# Altium PCB 400503.PcbDoc (part 1 of 3) (continued)
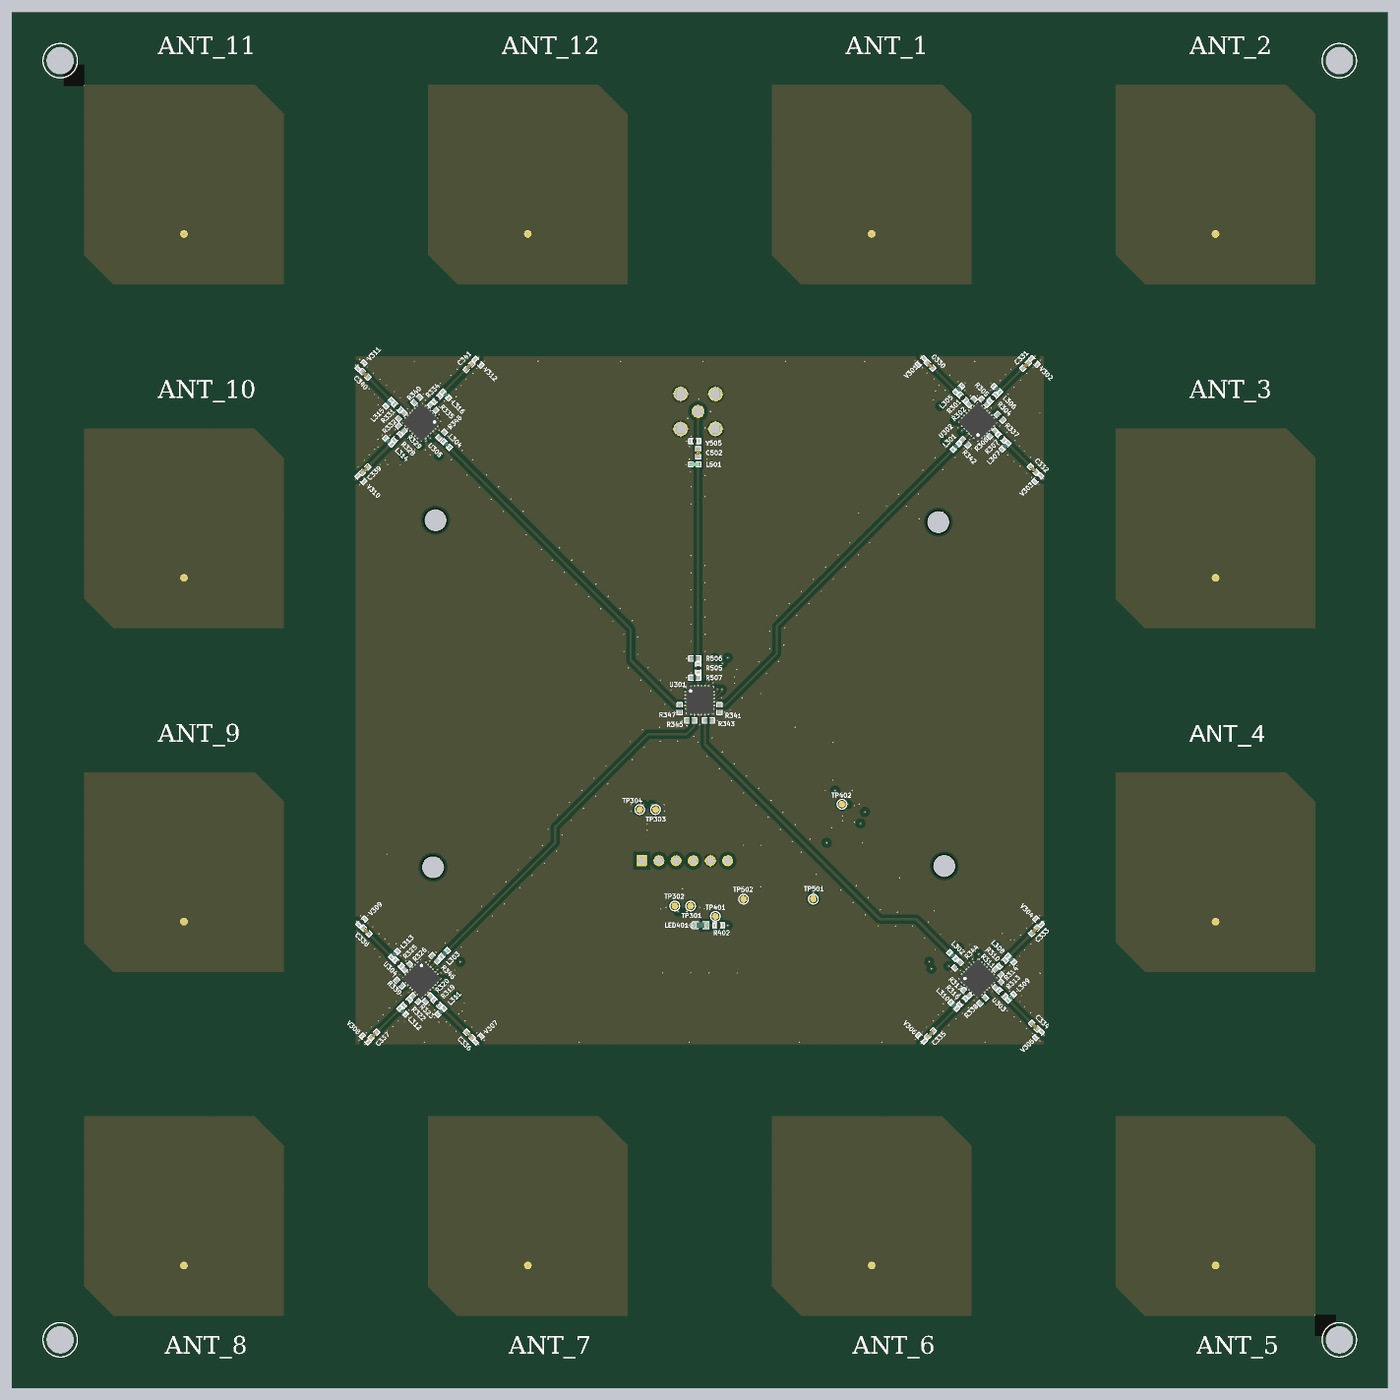
[diagram p6: 3D render of the assembled board from above, using the file's embedded part models]
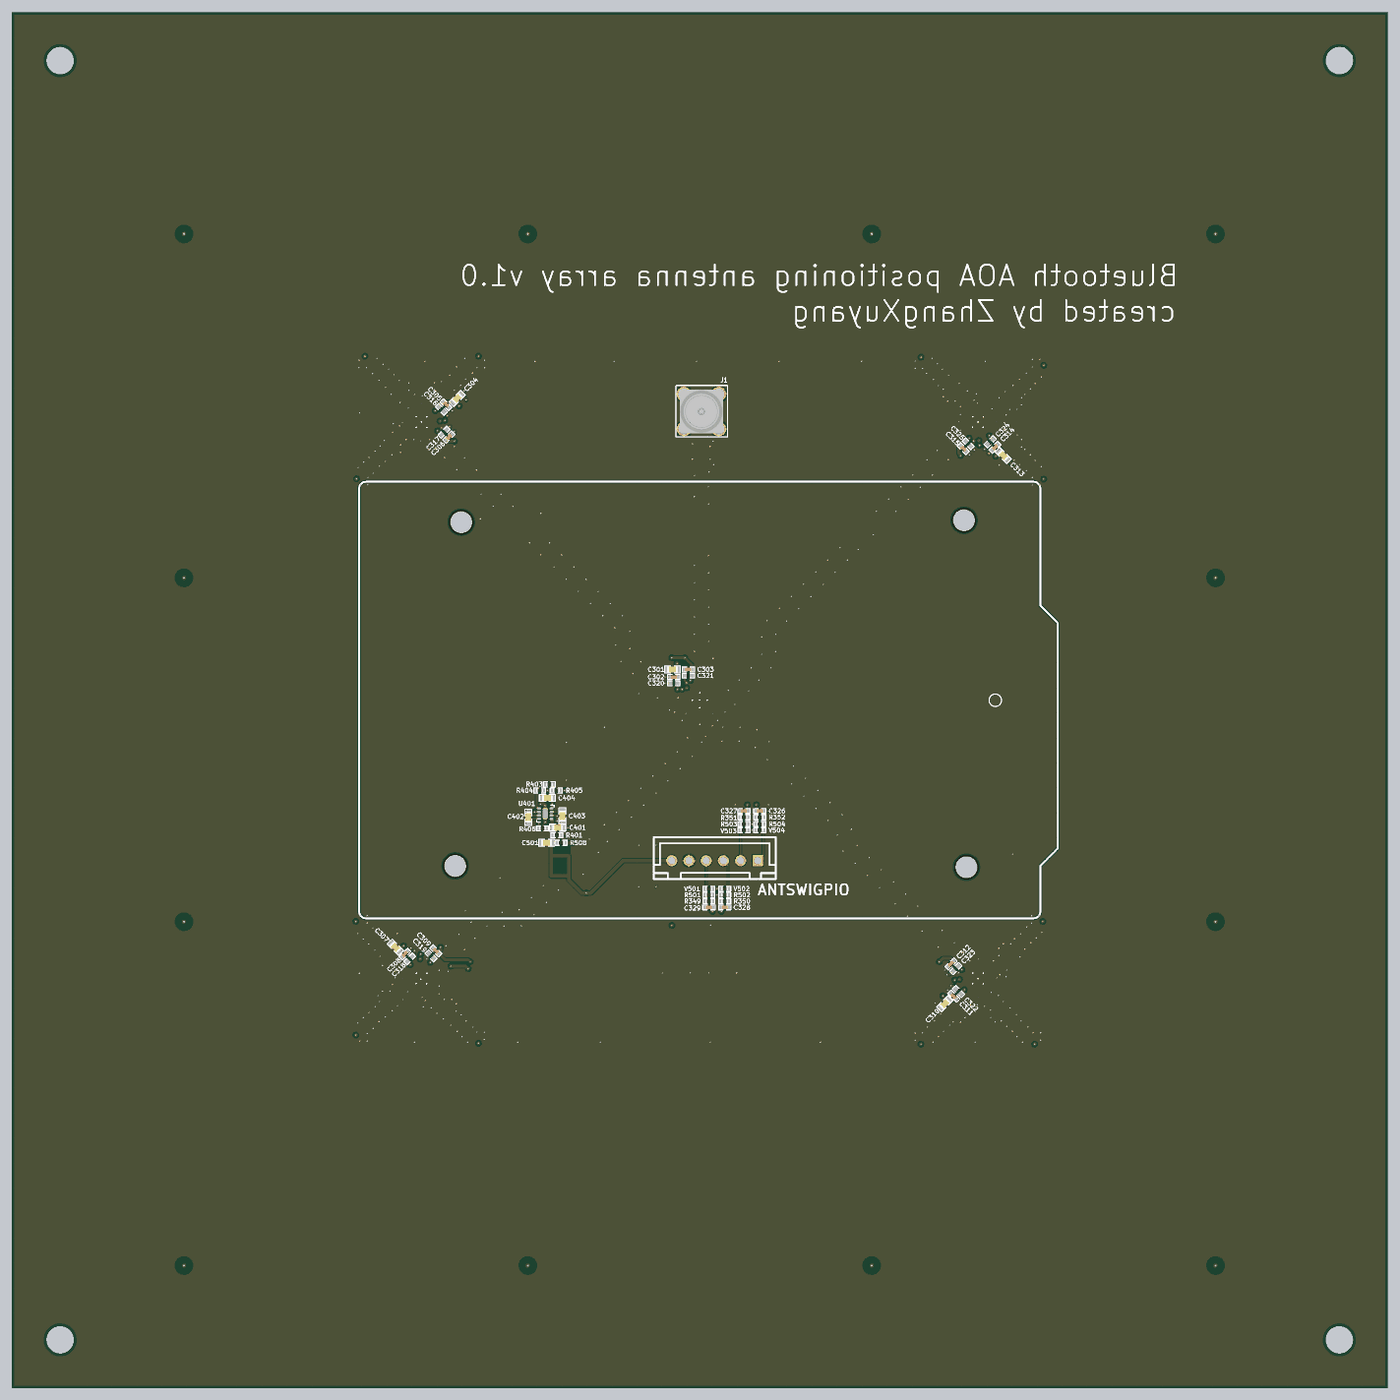
[diagram p7: 3D render of the assembled board from below, using the file's embedded part models]

## Layer stack, top to bottom
Top Solder: solder mask 0.02, Solder Resist, Dk 3.5
Top Layer: signal copper 0.035
Dielectric1: prepreg 0.18, FR-4, Dk 4.1
Mid-Layer 1: signal copper 0.035
Dielectric2: core 1.08, FR-4, Dk 4.3
Mid-Layer 2: signal copper 0.035
Dielectric3: prepreg 0.18, FR-4, Dk 4.1
Bottom Layer: signal copper 0.035
Bottom Solder: solder mask 0.02, Solder Resist, Dk 3.5

## Board outline
-0.04,-0.04 -0.04,199.96 199.96,199.96 199.96,-0.04

## Design rules (kind name [scope] priority, off if disabled: settings)
BoardOutlineClearance [All] p1: gap=0.3 ignorepadtopadclearanceinfootprint=FALSE
Clearance Clearance_1 [InNamedPolygon('L1_GND')] p1: gap=0.5 ignorepadtopadclearanceinfootprint=FALSE
Clearance USB_Poly_Clearance [(InNamedPolygon('Top_Layer-GND')) vs (OnLayer('Mechanical 3'))] p2: gap=0.254 ignorepadtopadclearanceinfootprint=FALSE except(0: Arc-Hole Track-Hole SMDPad-Hole THPad-Hole Via-Hole Fill-Hole Poly-Hole Region-Hole Text-Hole)
Clearance USB_Clearance [(InDifferentialPairClass('All Differential Pairs'))] p3: gap=0.152 ignorepadtopadclearanceinfootprint=FALSE except(0: Arc-Hole Track-Hole SMDPad-Hole THPad-Hole Via-Hole Fill-Hole Poly-Hole Region-Hole Text-Hole)
Clearance ANT_Clerance [InNetClass('ANT_50ohm')] p4: gap=0.15 ignorepadtopadclearanceinfootprint=FALSE except(0.6: Track-Poly SMDPad-Poly THPad-Poly Via-Poly)
Clearance Polygon_Clearance [(InNamedPolygon('Top_Layer-GND')) or (InNamedPolygon('Bottom_Layer-GND')) or (InNamedPolygon('Mid_Layer_1-GND')) or (InNamedPolygon('Mid_Layer_2-VDD'))] p5: gap=0.25 ignorepadtopadclearanceinfootprint=FALSE
Clearance SB_Clearance [HasFootprint('Solderbridge') or HasFootprint('QFN40P180X140X55-10N')] p6: gap=0.127 ignorepadtopadclearanceinfootprint=FALSE except(0: Arc-Hole Track-Hole SMDPad-Hole THPad-Hole Via-Hole Fill-Hole Poly-Hole Region-Hole Text-Hole)
Clearance CSP_Clearance [HasFootprint('BGA4C40P2X2_76X76X62')] p7: gap=0.127 ignorepadtopadclearanceinfootprint=FALSE except(0: Arc-Hole Track-Hole SMDPad-Hole THPad-Hole Via-Hole Fill-Hole Poly-Hole Region-Hole Text-Hole)
Clearance P23_Clearance [HasFootprint('FPC_05P-0.5mm-RA-SMD')] p8: gap=0.127 ignorepadtopadclearanceinfootprint=FALSE except(0: Arc-Hole Track-Hole SMDPad-Hole THPad-Hole Via-Hole Fill-Hole Poly-Hole Region-Hole Text-Hole)
Clearance [All] p9: gap=0.15 ignorepadtopadclearanceinfootprint=FALSE except(0.4: Poly-Hole)
ComponentClearance [All] p1 off: gap=0.2 collisioncheckmode=3 verticalgap=0.2 showdistances=TRUE
DiffPairsRouting [All] p1: maxlimit=0.254 minlimit=0.15 mostfreqgap=0.254 toplayer_maxgap=0.15 toplayer_prefgap=0.15 toplayer_minwidth=0.203 toplayer_maxwidth=0.381 toplayer_prefwidth=0.381 midlayer1_mingap=0.254 midlayer1_minwidth=0.203 midlayer1_maxwidth=0.381 midlayer1_prefwidth=0.381 midlayer2_mingap=0.254 midlayer2_minwidth=0.203 midlayer2_maxwidth=0.381 midlayer2_prefwidth=0.381 bottomlayer_maxgap=0.15 bottomlayer_prefgap=0.15 bottomlayer_minwidth=0.203 bottomlayer_maxwidth=0.381 bottomlayer_prefwidth=0.381 maxuncoupledlength=12.7
FabricationTestPointUsage TestPointUsage [All] p1: valid=0 allowmultiple=FALSE
FabricationTestpoint Testpoint [All] p1: side=3 testpointundercomponent=TRUE minsize=1.016 maxsize=2.54 preferedsize=1.524 minholesize=0 maxholesize=1.016 preferedholesize=0.813 testpointgrid=0.025 allowsidetop=TRUE allowsidebottom=TRUE usegrid=TRUE gridtolerance=0
Height [All] p1 off: minheight=0 maxheight=25.4 prefheight=12.7
HoleSize [All] p1: absolutevalues=TRUE maxlimit=5 minlimit=0.2 maxpercent=80.000 minpercent=20.000
MinimumAnnularRing [All] p1 off: minimumring=0.152
PlaneConnect [All] p1: planeconnectstyle=Direct reliefexpansion=0.508 reliefentries=4 reliefconductorwidth=0.254 reliefairgap=0.254
PolygonConnect PolygonConnect_1 [isVia and innet(gnd) or isVia and innet('VDD') or HasFootprint('COAXIAL-SWF') or isVia and innet('VDD_SAM')] p1: connectstyle=Direct reliefconductorwidth=0.254 reliefentries=4 polygonreliefangle="90 Angle" airgapwidth=0.254
PolygonConnect [All] p2: thpad.connectstyle=Relief thpad.reliefconductorwidth=0.25 thpad.reliefentries=4 thpad.polygonreliefangle="90 Angle" thpad.airgapwidth=0.25 smdpad.connectstyle=NoConnect smdpad.reliefconductorwidth=0.254 smdpad.reliefentries=4 smdpad.polygonreliefangle="90 Angle" smdpad.airgapwidth=0.25 via.connectstyle=Direct via.reliefconductorwidth=0.254 via.reliefentries=4 via.polygonreliefangle="90 Angle" via.airgapwidth=0.254
RoomDefinition pca20054_sheet1_cover [InComponentClass('pca20054_sheet1_cover')] p1 off: confinementstyle=ConfineIn formatcopy=TRUE lockcomponents=FALSE outline -97.658,-106.385 -46.858,-106.385 -46.858,-80.985 -97.658,-80.985
RoomDefinition pca20054_sheet4_power_control [InComponentClass('pca20054_sheet4_power_control')] p2 off: confinementstyle=ConfineIn formatcopy=TRUE lockcomponents=FALSE outline -97.658,-106.385 -46.858,-106.385 -46.858,-80.985 -97.658,-80.985
RoomDefinition pca20054_sheet3_antenna_switches [InComponentClass('pca20054_sheet3_antenna_switches')] p3 off: confinementstyle=ConfineIn formatcopy=TRUE lockcomponents=FALSE outline -97.658,-106.385 -46.858,-106.385 -46.858,-80.985 -97.658,-80.985
RoomDefinition pca20054_sheet5_connectors [InComponentClass('pca20054_sheet5_connectors')] p4 off: confinementstyle=ConfineIn formatcopy=TRUE lockcomponents=FALSE outline -26.47,201.138 238.93,201.138 238.93,-19.462 -26.47,-19.462
RoutingVias [All] p1: holewidth=0.2 width=0.5 viastyle="Through Hole" minholewidth=0.2 minwidth=0.5 maxholewidth=0.2 maxwidth=0.5
SilkToSolderMaskClearance SilkscreenOverComponentPads [IsPad] p1: minsilkscreentomaskgap=0.254 clearancetoexposedcopper=TRUE
SolderMaskExpansion [All] p1: expansion=0.05 istentingtop=FALSE
SupplyNets "Schematic Supply Nets_2" [InNet('3V3RF')] p1: voltage=0.000
SupplyNets "Schematic Supply Nets_1" [InNet('GND')] p2: voltage=0.000
SupplyNets "Schematic Supply Nets" [InNet('3V3RFN')] p3: voltage=0.000
Width Antenna [InNetClass('ANT_50ohm')] p1: maxlimit=3 minlimit=0.1 preferedwidth=0.315 midlayer1_prefwidth=0.24 midlayer2_prefwidth=0.24 minimp=50.000000 maximp=50.000000 favimp=50.000000
Width Pow [InNetClass('Pow_GND')] p2: maxlimit=3 minlimit=0.1 preferedwidth=0.25
Width Standard [All] p3: maxlimit=3 minlimit=0.1 preferedwidth=0.15
22 further rules are at their usual default settings.

## Classes and differential pairs
component class pca20054_sheet5_connectors: ANTSWIGPIO C501 C502 J1 L501 R501 R502 R503 R504 R505 R506 R507 R508 TP501 TP502 V501 V502 V503 V504 V505
component class pca20054_sheet4_power_control: C401 C402 C403 C404 LED401 R401 R402 R403 R404 R405 R406 TP401 TP402 U401
component class pca20054_sheet3_antenna_switches: ANT_1 ANT_2 ANT_3 ANT_4 ANT_5 ANT_6 ANT_7 ANT_8 ANT_9 ANT_10 ANT_11 ANT_12 C301 C302 C303 C304 C305 C306 C307 C308 C309 C310 C311 C312 C313 C314 C315 C316 C317 C318 C319 C320 C321 C322 C323 C324 C325 C326 C327 C328 C329 C330 C331 C332 C333 C334 C335 C336 C337 C338 C339 C340 C341 L301 L302 L303 L304 L305 L306 L307 L308 L309 L310 L311 L312 L313 L314 L315 L316 R301 R302 R304 R305 R307 R308 R310 R311 R313 R314 R316 R317 R319 R320 R322 R323 R325 R326 R328 R329 R331 R332 R334 R335 R337 R338 R339 R340 R341 R342 R343 R344 R345 R346 R347 R348 R349 R350 R351 R352 TP301 TP302 TP303 TP304 U301 U302 U303 U304 U305 V301 V302 V303 V304 V305 V306 V307 V308 V309 V310 V311 V312

## Components (designator, comment, footprint, x,y, rotation, side; value= is the part's Value field where it differs from the comment)
ANT_1 "Ø1.0mm,SMD" TP_SMD_?.0mm 124.96,167.76 r0 top
ANT_2 "Ø1.0mm,SMD" TP_SMD_?.0mm 174.96,167.76 r90 top
ANT_3 "Ø1.0mm,SMD" TP_SMD_?.0mm 174.96,117.76 r90 top
ANT_4 "Ø1.0mm,SMD" TP_SMD_?.0mm 174.96,67.759 r180 top
ANT_5 "Ø1.0mm,SMD" TP_SMD_?.0mm 174.96,17.76 r90 top
ANT_6 "Ø1.0mm,SMD" TP_SMD_?.0mm 124.96,17.759 r90 top
ANT_7 "Ø1.0mm,SMD" TP_SMD_?.0mm 74.96,17.76 r90 top
ANT_8 "Ø1.0mm,SMD" TP_SMD_?.0mm 24.96,17.76 r90 top
ANT_9 "Ø1.0mm,SMD" TP_SMD_?.0mm 24.96,67.76 r90 top
ANT_10 "Ø1.0mm,SMD" TP_SMD_?.0mm 24.96,117.76 r90 top
ANT_11 "Ø1.0mm,SMD" TP_SMD_?.0mm 24.96,167.76 r90 top
ANT_12 "Ø1.0mm,SMD" TP_SMD_?.0mm 74.96,167.76 r90 top
ANTSWIGPIO "ZX-XH2.54-6PZZ" CONN-TH_6P-P2.50_ZX-XH2.54-6PZZ 97.77,76.63 r180 bottom (schematic designator U??)
C301 "1.0µF" CAPC1608X06L 103.93,104.438 r180 bottom
C302 "100pF" CAPC1005X04L 103.73,103.338 r180 bottom
C303 "100pF" CAPC1005X04L 101.63,104.438 r180 bottom
C304 "1.0µF" CAPC1608X06L 135.23,143.838 r315 bottom
C305 "100pF" CAPC1005X04L 136.83,142.938 r45 bottom
C306 "100pF" CAPC1005X04L 136.43,138.238 r315 bottom
C307 "1.0µF" CAPC1608X06L 144.23,64.038 r225 bottom
C308 "100pF" CAPC1005X04L 142.83,63.038 r315 bottom
C309 "100pF" CAPC1005X04L 138.33,63.538 r225 bottom
C310 "1.0µF" CAPC1608X06L 64.33,55.838 r135 bottom
C311 "100pF" CAPC1005X04L 63.03,56.938 r225 bottom
C312 "100pF" CAPC1005X04L 63.43,61.624 r135 bottom
C313 "1.0µF" CAPC1608X06L 55.83,135.555 r45 bottom
C314 "100pF" CAPC1005X04L 57.03,136.738 r135 bottom
C315 "100pF" CAPC1005X04L 61.63,136.538 r45 bottom
C316 "N.C." CAPC1005X04L_NC 137.53,142.238 r45 bottom
C317 "N.C." CAPC1005X04L_NC 137.13,138.938 r315 bottom
C318 "N.C." CAPC1005X04L_NC 142.13,62.338 r315 bottom
C319 "N.C." CAPC1005X04L_NC 139.038,62.79 r225 bottom
C320 "N.C." CAPC1005X04L_NC 103.73,102.438 r180 bottom
C321 "N.C." CAPC1005X04L_NC 101.63,103.538 r180 bottom
C322 "N.C." CAPC1005X04L_NC 62.33,57.638 r225 bottom
C323 "N.C." CAPC1005X04L_NC 62.73,60.938 r135 bottom
C324 "N.C." CAPC1005X04L_NC 57.73,137.538 r135 bottom
C325 "N.C." CAPC1005X04L_NC 60.93,137.238 r45 bottom
C326 "18pF" CAPC1005X04L 91.23,83.858 r0 bottom
C327 "18pF" CAPC1005X04L 93.53,83.858 r180 bottom
C328 "18pF" CAPC1005X04L 96.33,69.838 r0 bottom
C329 "18pF" CAPC1005X04L 98.63,69.838 r180 bottom
C330 "10nF" CAPC1005X04L 133.45,148.645 r135 top
C331 "10nF" CAPC1005X04L 147.341,148.645 r45 top
C332 "10nF" CAPC1005X04L 148.467,133.518 r315 top
C333 "10nF" CAPC1005X04L 148.62,66.453 r45 top
C334 "10nF" CAPC1005X04L 148.645,52.579 r315 top
C335 "10nF" CAPC1005X04L 133.518,51.453 r225 top
C336 "10nF" CAPC1005X04L 66.453,51.3 r315 top
C337 "10nF" CAPC1005X04L 52.579,51.275 r225 top
C338 "10nF" CAPC1005X04L 51.453,66.402 r135 top
C339 "10nF" CAPC1005X04L 51.3,133.467 r225 top
C340 "10nF" CAPC1005X04L 51.275,147.341 r135 top
C341 "10nF" CAPC1005X04L 66.402,148.467 r45 top
C401 "4.7µF" CAPC1608X06L 120.63,81.438 r0 bottom
C402 "1.0µF" CAPC1608X06L 124.88,82.938 r270 bottom
C403 "4.7µF" CAPC1608X06L 119.93,83.138 r90 bottom
C404 "2.2µF" CAPC1608X06L 122.1,85.738 r180 bottom
C501 "1.0µF" CAPC1608X06L 122.23,79.238 r180 bottom
C502 "10nF" CAPC1005X04L 99.73,135.938 r90 top
J1 "SMA Vertical" CON_SMA_COAX_FEM_STRAIGHT_5P_1 99.72,141.95 r180 bottom
L301 "0.5nH" INDC1005X04L 137.23,136.838 r45 top
L302 "0.5nH" INDC1005X04L 136.73,62.838 r315 top
L303 "0.5nH" INDC1005X04L 62.83,63.138 r225 top
L304 "0.5nH" INDC1005X04L 63.13,137.138 r135 top
L305 "2.4nH" INDC1005X04L 137.623,145.21 r225 top
L306 "2.4nH" INDC1005X04L 143.154,145.203 r315 top
L307 "2.4nH" INDC1005X04L 144.354,136.906 r45 top
L308 "2.4nH" INDC1005X04L 145.21,62.297 r135 top
L309 "2.4nH" INDC1005X04L 145.203,56.766 r225 top
L310 "2.4nH" INDC1005X04L 136.906,55.566 r315 top
L311 "2.4nH" INDC1005X04L 62.297,54.71 r45 top
L312 "2.4nH" INDC1005X04L 56.766,54.717 r135 top
L313 "2.4nH" INDC1005X04L 55.566,63.014 r225 top
L314 "2.4nH" INDC1005X04L 54.71,137.623 r315 top
L315 "2.4nH" INDC1005X04L 54.717,143.154 r45 top
L316 "2.4nH" INDC1005X04L 63.014,144.354 r135 top
L501 "30nH" INDC1005X04L_WW 99.23,134.238 r0 top
LED401 "L0603G" LED_0603_G 100.111,67.246 r0 top
R301 "0R" RESC1005X04L#1 138.189,143.938 r135 top
R302 "N.C." RESC1005X04L_NC 139.461,143.372 r225 top
R304 "0R" RESC1005X04L#1 142.589,143.931 r45 top
R305 "N.C." RESC1005X04L_NC 141.316,143.365 r315 top
R307 "0R" RESC1005X04L#1 143.789,138.179 r315 top
R308 "N.C." RESC1005X04L_NC 142.523,138.737 r45 top
R310 "0R" RESC1005X04L#1 143.938,61.731 r45 top locked
R311 "N.C." RESC1005X04L_NC 143.372,60.459 r135 top locked
R313 "0R" RESC1005X04L#1 143.931,57.331 r315 top locked
R314 "N.C." RESC1005X04L_NC 143.365,58.604 r225 top locked
R316 "0R" RESC1005X04L#1 138.179,56.131 r225 top locked
R317 "N.C." RESC1005X04L_NC 138.737,57.397 r315 top locked
R319 "0R" RESC1005X04L#1 61.731,55.982 r315 top locked
R320 "N.C." RESC1005X04L_NC 60.459,56.548 r45 top locked
R322 "0R" RESC1005X04L#1 57.331,55.989 r225 top locked
R323 "N.C." RESC1005X04L_NC 58.604,56.555 r135 top locked
R325 "0R" RESC1005X04L#1 56.131,61.741 r135 top locked
R326 "N.C." RESC1005X04L_NC 57.397,61.183 r225 top locked
R328 "0R" RESC1005X04L#1 55.982,138.189 r225 top locked
R329 "N.C." RESC1005X04L_NC 56.548,139.461 r315 top locked
R331 "0R" RESC1005X04L#1 55.989,142.589 r135 top locked
R332 "N.C." RESC1005X04L_NC 56.555,141.316 r45 top locked
R334 "0R" RESC1005X04L#1 61.741,143.789 r45 top locked
R335 "N.C." RESC1005X04L_NC 61.183,142.523 r135 top locked
R337 "N.C." RESC1005X04L_NC 143.614,141.08 r315 top
R338 "N.C." RESC1005X04L_NC 141.08,56.306 r225 top locked
R339 "N.C." RESC1005X04L_NC 56.306,58.84 r135 top locked
R340 "N.C." RESC1005X04L_NC 58.84,143.614 r45 top locked
R341 "N.C." RESC1005X04L_NC 102.83,98.738 r90 top
R342 "N.C." RESC1005X04L_NC 138.53,137.438 r135 top
R343 "N.C." RESC1005X04L_NC 101.23,97.038 r180 top
R344 "N.C." RESC1005X04L_NC 137.43,61.438 r45 top
R345 "N.C." RESC1005X04L_NC 98.63,97.038 r0 top
R346 "N.C." RESC1005X04L_NC 61.43,62.438 r315 top
R347 "N.C." RESC1005X04L_NC 97.03,98.738 r90 top
R348 "N.C." RESC1005X04L_NC 62.43,138.538 r225 top
R349 "100R" RESC1005X04L#1 98.63,70.738 r180 bottom
R350 "100R" RESC1005X04L#1 96.33,70.738 r0 bottom
R351 "100R" RESC1005X04L#1 93.53,82.958 r180 bottom
R352 "100R" RESC1005X04L#1 91.23,82.958 r0 bottom
R401 "0R" RESC1005X04L#1 120.73,80.338 r0 bottom
R402 "220R" RESC1005X04L#1 102.711,67.223 r0 top
R403 "86k6" RESC1005X04L#1 121.83,87.738 r180 bottom
R404 "51k1" RESC1005X04L#1 123.23,86.838 r0 bottom
R405 "0R" RESC1005X04L#1 120.83,86.838 r180 bottom
R406 "10k" RESC1005X04L#1 122.83,81.338 r0 bottom
R501 "1M0" RESC1005X04L#1 98.63,71.638 r0 bottom
R502 "1M0" RESC1005X04L#1 96.33,71.638 r180 bottom
R503 "1M0" RESC1005X04L#1 93.53,81.958 r0 bottom
R504 "1M0" RESC1005X04L#1 91.23,81.958 r180 bottom
R505 "0R" RESC1005X04L#1 99.73,104.638 r270 top
R506 "N.C." RESC1005X04L_NC 99.23,106.038 r0 top
R507 "N.C." RESC1005X04L_NC 99.23,103.238 r0 top
R508 "0R" RESC1005X04L#1 120.13,79.238 r180 bottom
TP301 "Ø1.0mm,SMD" TP_SMD_?.0mm 98.63,70.038 r180 top
TP302 "Ø1.0mm,SMD" TP_SMD_?.0mm 96.33,70.038 r180 top
TP303 "Ø1.0mm,SMD" TP_SMD_?.0mm 93.53,84.058 r180 top
TP304 "Ø1.0mm,SMD" TP_SMD_?.0mm 91.23,84.058 r180 top
TP401 "Ø1.0mm,SMD" TP_SMD_?.0mm 102.23,68.538 r90 top
TP402 "Ø1.0mm,SMD" TP_SMD_?.0mm 120.63,84.838 r90 top
TP501 "Ø1.0mm,SMD" TP_SMD_?.0mm 116.47,71.038 r90 top
TP502 "Ø1.0mm,SMD" TP_SMD_?.0mm 106.33,71.038 r90 top
U301 "PE42442" QFN50P400X400X80_HS-25N 99.96,99.978 r0 top
U302 "PE42442" QFN50P400X400X80_HS-25N 140.414,140.414 r135 top
U303 "PE42442" QFN50P400X400X80_HS-25N 140.414,59.506 r45 top locked
U304 "PE42442" QFN50P400X400X80_HS-25N 59.506,59.506 r315 top locked
U305 "PE42442" QFN50P400X400X80_HS-25N 59.506,140.414 r225 top locked
U401 "LM27761" SON50P200X80_HS-9L 122.42,83.468 r0 bottom
V301 "LXES15AAA1-133" RESC1005X04L#2 132.143,149.206 r225 top
V302 "LXES15AAA1-133" RESC1005X04L#2 148.617,149.216 r315 top
V303 "LXES15AAA1-133" RESC1005X04L#2 149.11,132.186 r225 top
V304 "LXES15AAA1-133" RESC1005X04L#2 149.223,67.759 r135 top
V305 "LXES15AAA1-133" RESC1005X04L#2 149.216,51.303 r225 top
V306 "LXES15AAA1-133" RESC1005X04L#2 132.186,50.81 r135 top
V307 "LXES15AAA1-133" RESC1005X04L#2 67.76,50.697 r45 top
V308 "LXES15AAA1-133" RESC1005X04L#2 51.303,50.704 r135 top
V309 "LXES15AAA1-133" RESC1005X04L#2 50.81,67.734 r45 top
V310 "LXES15AAA1-133" RESC1005X04L#2 50.697,132.16 r315 top
V311 "LXES15AAA1-133" RESC1005X04L#2 50.704,148.617 r45 top
V312 "LXES15AAA1-133" RESC1005X04L#2 67.734,149.11 r315 top
V501 "LXES15AAA1-133" RESC1005X04L#2 98.63,72.538 r180 bottom
V502 "LXES15AAA1-133" RESC1005X04L#2 96.33,72.538 r0 bottom
V503 "LXES15AAA1-133" RESC1005X04L#2 93.53,81.058 r180 bottom
V504 "LXES15AAA1-133" RESC1005X04L#2 91.23,81.058 r0 bottom
V505 "LXES15AAA1-133" RESC1005X04L#2 99.23,137.638 r180 top

## Footprints (in the part's own frame and the unit in brackets; to place one, negate y for a bottom-side part, rotate by r counter-clockwise, add the part's x,y. Pads: shape width x height; smd on the part's side, far side on the other; paste and mask are expansions set on the pad)
CAPC1005X04L [mm]
  rect 0.6x0.5 smd: 1(-0.5,0) 2(0.5,0)
  silkscreen extent -0.9,-0.35 0.9,0.35, body extent -0.51,-0.25 0.51,0.25, height 0.5
CAPC1005X04L_NC [mm] "Chip Capacitor, 2-Leads, Body 1.0x0.5mm, IPC High Density"
  rect 0.6x0.5 smd: 1(-0.5,0) 2(0.5,0)
  silkscreen extent -0.9,-0.35 0.9,0.35
CAPC1608X06L [mm]
  rect 0.75x0.8 smd: 1(-0.675,0) 2(0.675,0)
  silkscreen extent -1.17,-0.5 1.17,0.5, body extent -0.8,-0.43 0.8,0.43, height 0.8
CON_SMA_COAX_FEM_STRAIGHT_5P_1 [mm]
  round 1.9 hole 1.5 paste-2539.97 mask+0.05: 1(0,0)
  round 2.1 hole 1.7 paste-2539.97 mask+0.05: 2(-2.54,-2.54) 3(2.54,-2.54) 4(2.54,2.54) 5(-2.54,2.54)
  body extent -3.16,-3.16 3.15,3.15, height 9.43
CONN-TH_6P-P2.50_ZX-XH2.54-6PZZ [mm]
  rect 1.524x1.6 hole 1.1: 1(6.25,0)
  round 1.6 hole 1.1 copper offset 0,0: 2(3.75,0) 4(-1.25,0) 5(-3.75,0) 6(-6.25,0)
  round 1.6 hole 1.1: 3(1.25,0)
  silkscreen extent -8.87,-2.68 8.87,3.42
INDC1005X04L [mm]
  rect 0.65x0.5 smd: 1(-0.475,0) 2(0.475,0)
  silkscreen extent -0.9,-0.35 0.9,0.35, body extent -0.5,-0.3 0.5,0.3, height 0.5
INDC1005X04L_WW [mm] "Chip Inductor, 2-Leads, Body 1.0x0.5mm, IPC High Density"
  rect 0.65x0.5 smd: 1(-0.475,0) 2(0.475,0)
  silkscreen extent -0.9,-0.35 0.9,0.35, body extent -0.5,-0.3 0.5,0.3, height 0.51
LED_0603_G [mil]
  rect 30x32 smd: 1(-27.5,0) 2(27.5,0)
  silkscreen extent -58,-20 48,20, body extent -32,-16 32,16, height 24
QFN50P400X400X80_HS-25N [mm] "PQFN, 24-Leads, Body 4.00x4.00mm, Pitch 0.50mm, Thermal Pad 2.75x2.75mm, IPC Medium Density"
  rrect50% 0.6x0.3 smd: 1(-1.9,1.25) 2(-1.9,0.75) 3(-1.9,0.25) 4(-1.9,-0.25) 5(-1.9,-0.75) 6(-1.9,-1.25) 13(1.9,-1.25) 14(1.9,-0.75) 15(1.9,-0.25) 16(1.9,0.25) 17(1.9,0.75) 18(1.9,1.25)
  rrect50% 0.3x0.6 smd: 7(-1.25,-1.9) 8(-0.75,-1.9) 9(-0.25,-1.9) 10(0.25,-1.9) 11(0.75,-1.9) 12(1.25,-1.9) 19(1.25,1.9) 20(0.75,1.9) 21(0.25,1.9) 22(-0.25,1.9) 23(-0.75,1.9) 24(-1.25,1.9)
  rrect10% 2.75x2.75 smd paste-5: 25(0,0)
  silkscreen extent -2,-2 2,2, body extent -2,-2 2,2, height 0.8
RESC1005X04L#1 [mm]
  rect 0.6x0.55 smd: 1(-0.5,0) 2(0.5,0)
  silkscreen extent -0.88,-0.38 0.88,0.38, body extent -0.5,-0.25 0.5,0.25, height 0.3
RESC1005X04L#2 [mm] "Chip Resistor, 2-Leads, Body 1.0x0.5mm, IPC High Density"
  rect 0.6x0.55 smd mask+0.05: 1(-0.5,0) 2(0.5,0)
  silkscreen extent -0.88,-0.38 0.88,0.38, body extent -0.5,-0.25 0.5,0.25, height 0.3
RESC1005X04L_NC [mm] "Chip Resistor, 2-Leads, Body 1.0x0.5mm, IPC High Density"
  rect 0.6x0.55 smd mask+0.05: 1(-0.5,0) 2(0.5,0)
  silkscreen extent -0.88,-0.38 0.88,0.38
SON50P200X80_HS-9L [mm] "SON, 8-Leads, Body 2.00x2.00mm, Pitch 0.50mm, Thermal Pad 1.60x0.69mm, IPC High Density"
  rrect50% 0.55x0.3 smd: 1(-0.895,0.75) 2(-0.895,0.25) 3(-0.895,-0.25) 4(-0.895,-0.75) 5(0.895,-0.75) 6(0.895,-0.25) 7(0.895,0.25) 8(0.895,0.75)
  rrect50% 0.85x1.6 smd paste-0.05: 9(0,0)
  body extent -1.05,-1.05 1.05,1.05, height 0.81
TP_SMD_?.0mm [mm]
  round 1 smd paste-5: 1(0,0)

## Part data
ANT_1 ANT_2 ANT_3 ANT_4 ANT_5 ANT_6 ANT_7 ANT_8 ANT_9 ANT_10 ANT_11 ANT_12 TP301 TP302 TP303 TP304 TP401 TP402 TP501 TP502: library part TP_SMD_Ø1.0MM, "1.0mm circular SMD testpad", Manufacturer="Nordic Semiconductor", Part number IPS=N.A., Artikkelnr Noca=N.A., ComponentLink1Description=Datasheet, ComponentLink2Description="Supplier link", Footprint Doc=TP_SMD_Ø1.0mm, LatestRevisionDate=2013-06-11, Part Number=TP_SMD_Ø1.0MM, Pin Count=1, Published=2013-06-11, Publisher="Nordic Semiconductor"
ANTSWIGPIO: Color=白色, Flame Retardant Rating=UL94V-0, JLCPCB Part Class="Extended Part", LCSC Part Name="1x6P 间距:2.5mm 直插 系列:XH", Manufacturer=Megastar(兆星), Operating Temperature=-25℃~+85℃, Rated Current=3A, Rated Voltage (Max)=250V, Add into BOM=yes, Contact Material=黄铜, Contact Plating=锡, Convert to PCB=yes, Datasheet=https://atta.szlcsc.com/upload/public/pdf/source/20230619/1243AD0A516E39CD3D274D8985780568.pdf, Device=ZX-XH2.54-6PZZ, Manufacturer Part=ZX-XH2.54-6PZZ, Mounting Type=直插, Number of Pins=6P, Number of PINs Per Row=6, Number of Rows=1, Pins Structure=1x6P, Pitch=2.5mm, Plastic Material=PA66, Reference Series=XH, Row Spacing=-, Supplementary Features=-, Supplier=LCSC, Supplier Footprint=插件,P=2.5mm, Supplier Part=C7429636, Symbol=ZX-XH2.54-6PZZ, X-Length of Bottom Edge on Board (Spacing Line)=17.5mm, Y-Width of Bottom Edge on Board=5.9mm, Z-Height of the Board=7mm
C301 C304 C307 C310 C313 C402 C501: library part C0603-1µ0, "Capacitor, X7R, ±10%", Part number IPS=00000000616, Artikkelnr Noca=20039282, ComponentLink1Description=Datasheet, ComponentLink2Description="Supplier link", Footprint Doc=0603, LatestRevisionDate=2013-06-05, Note=16V, Part Number=C0603-1µ0, Pin Count=2, Published=2009-05-08, Publisher="Nordic Semiconductor"
C302 C303 C305 C306 C308 C309 C311 C312 C314 C315: library part C0402-100p, "Capacitor, NP0, ±5%", Part number IPS=00000002361, Artikkelnr Noca=20029135, ComponentLink1Description=Datasheet, ComponentLink2Description="Supplier link", Footprint Doc=0402, LatestRevisionDate=2009-05-08, Note=50V, Part Number=C0402-100p, Pin Count=2, Published=2009-05-08, Publisher="Nordic Semiconductor"
C316 C317 C318 C319 C320 C321 C322 C323 C324 C325: library part C0402-N.C., "Not mounted", Part number IPS=N.A., Artikkelnr Noca=N.A., Assembly="Not mounted", ComponentLink1Description=Datasheet, ComponentLink2Description="Supplier link", Footprint Doc=0402, LatestRevisionDate=2009-05-08, Note="Chip Cap", Part Number=C0402-N.C., Pin Count=2, Published=2009-05-08, Publisher="Nordic Semiconductor"
C326 C327 C328 C329: library part C0402-18p, "Capacitor, NP0, ±5%", Part number IPS=N.A., Artikkelnr Noca=20029209, ComponentLink1Description=Datasheet, ComponentLink2Description="Supplier link", Footprint Doc=0402, LatestRevisionDate=2009-05-08, Note=50V, Part Number=C0402-18p, Pin Count=2, Published=2009-05-08, Publisher="Nordic Semiconductor"
C330 C331 C332 C333 C334 C335 C336 C337 C338 C339 C340 C341 C502: library part C0402-10n, "Capacitor, X7R, ±10%", Part number IPS=00000007784, Artikkelnr Noca=20039166, ComponentLink1Description=Datasheet, ComponentLink2Description="Supplier link", Footprint Doc=0402, LatestRevisionDate=2009-11-23, Note=16V, Part Number=C0402-10n, Pin Count=2, Published=2009-05-08, Publisher="Nordic Semiconductor"
C401 C403: library part C0603-4µ7, "Capacitor, X5R, ±10%", Part number IPS=00000007783, Artikkelnr Noca=20069060, ComponentLink1Description=Datasheet, ComponentLink2Description="Supplier link", Footprint Doc=0603, LatestRevisionDate=2009-11-23, Note=6.3V, Part Number=C0603-4µ7, Pin Count=2, Published=2009-05-08, Publisher="Nordic Semiconductor"
C404: library part C0603-2µ2, "Capacitor, X7R, ±10%", Part number IPS=N.A., Artikkelnr Noca=20039322, ComponentLink1Description=Datasheet, ComponentLink2Description="Supplier link", Footprint Doc=0603, LatestRevisionDate=2016-10-10, Note=6.3V, Part Number=C0603-2µ2, Pin Count=2, Published=2009-05-08, Publisher="Nordic Semiconductor"
J1: library part SMA-Vert-Std_Sigma, "SMA Vertical connector", Part number IPS=N.A., Artikkelnr Noca=N.A., ComponentLink1Description=Datasheet, ComponentLink2Description="Supplier link", Footprint Doc=SMA-VERT, LatestRevisionDate=2009-12-12, Note="SMA vertical", Part Number=SMA-Vert-Std_Sigma, Pin Count=5, Published=2009-12-12, Publisher="Nordic Semiconductor"
L301 L302 L303 L304: library part L0402-0n5, "Inductor, 1A, ±0.1nH", Manufacturer="TDK Corporation", Manufacturer Part Number=MLG1005S0N5BT000, Part number IPS=N.A., Supplier Part Number 1=445-16235-1-ND, Artikkelnr Noca=N.A., ComponentLink1Description=Datasheet, ComponentLink2Description="Supplier link", ComponentLink2URL=https://product.tdk.com/info/en/catalog/datasheets/inductor_commercial_high-frequency_mlg1005s_en.pdf?ref_disty=digikey, Footprint Doc=0402, LatestRevisionDate=2012-09-19, Note="High frequency chip inductor ±0.1nH", Part Number=L0402-0n5, Pin Count=2, Published=2009-05-08, Publisher="Nordic Semiconductor", Supplier 1=Digi-Key
L305 L306 L307 L308 L309 L310 L311 L312 L313 L314 L315 L316: library part L0402-2n4, "Inductor, 220mA, ±0.1nH", Part number IPS=N.A., ComponentLink1Description=Datasheet, ComponentLink2Description="Supplier link", Footprint Doc=0402, LatestRevisionDate=2012-09-19, Note="High frequency chip inductor ±5%", Part Number=L0402-2n4, Pin Count=2, Published=2009-05-08, Publisher="Nordic Semiconductor"
L501: library part L0402-30n-Wirewound-Murata, "Inductor, 270mA, ±2%, 580mΩ, Q=25", Manufacturer=Murata, Manufacturer Part Number=LQW15AN30NG00, Part number IPS=N.A., Supplier Part Number 1=490-6802-1-ND, Artikkelnr Noca=N.A., ComponentLink1Description=Datasheet, ComponentLink1URL=https://search.murata.co.jp/Ceramy/image/img/P02/JELF243A-0050.pdf, ComponentLink2Description="Supplier link", Footprint Doc=0402, HelpURL=https://psearch.en.murata.com/inductor/product/LQW15AN30NG00%23.html, LatestRevisionDate=2019-04-16, Note="-55°C ~ 125°C", Part Number=L0402-30n-Wirewound-Murata, Pin Count=2, Published=2019-04-16, Publisher="Nordic Semiconductor", Supplier 1=Digi-Key
LED401: library part "LG L29K Smartled Green", "LED, Green, 0603, 570nm, Vf=1.7V, 2.24..5.6mcd, - 40 to +100°C", Manufacturer=Osram, Manufacturer Part Number="LG L29K-G2J1-24-Z", Part number IPS=00000009961, Supplier Part Number 1=475-2709-1-ND, Artikkelnr Noca=13019147, ComponentLink1Description=Datasheet, ComponentLink2Description="Supplier link", Footprint Doc=0603, HelpURL=http://www.osram-os.com/Graphics/XPic2/00077107_0.pdf, LatestRevisionDate=2017-08-21, Note="2.24..5.6 mcd, Vfmin=1.7V", Part Number="LG L29K Smartled Green", Pin Count=2, Published=2014-10-28, Publisher="Nordic Semiconductor", Supplier 1=Digi-Key, Supplier 2=Mouser, Supplier Part Number 2=720-LGL29KG2J124Z
R301 R304 R307 R310 R313 R316 R319 R322 R325 R328 R331 R334 R401 R405 R505 R508: library part R0402-0R, "Resistor, ±5%, 0.063W", Part number IPS=00000007128, Supplier Part Number 1=146-9661, Artikkelnr Noca=27049000, ComponentLink1Description=Datasheet, ComponentLink2Description="Supplier link", Footprint Doc=0402, LatestRevisionDate=2009-11-23, Note="Chip Res 5%", Part Number=R0402-0R, Pin Count=2, Published=2009-05-08, Publisher="Nordic Semiconductor", Supplier 1=Farnell
R302 R305 R308 R311 R314 R317 R320 R323 R326 R329 R332 R335 R337 R338 R339 R340 R341 R342 R343 R344 R345 R346 R347 R348 R506 R507: library part R0402-N.C., "Not mounted", Part number IPS=N.A., Artikkelnr Noca=N.A., Assembly="Not mounted", ComponentLink1Description=Datasheet, ComponentLink2Description="Supplier link", Footprint Doc=0402, LatestRevisionDate=2009-05-08, Note="Chip Res", Part Number=R0402-N.C., Pin Count=2, Published=2009-05-08, Publisher="Nordic Semiconductor"
R349 R350 R351 R352: library part R0402-100, "Resistor, ±1%, 0.063W", Part number IPS=00000002811, Supplier Part Number 1=173-8837, Artikkelnr Noca=27049049, ComponentLink1Description=Datasheet, ComponentLink2Description="Supplier link", Footprint Doc=0402, LatestRevisionDate=2009-11-23, Note="Chip Res 1%", Part Number=R0402-100, Pin Count=2, Published=2009-05-08, Publisher="Nordic Semiconductor", Supplier 1=Farnell
R402: library part R0402-220, "Resistor, ±1%, 0.063W", Part number IPS=N.A., Supplier Part Number 1=173-8841, Artikkelnr Noca=27049057, ComponentLink1Description=Datasheet, ComponentLink2Description="Supplier link", Footprint Doc=0402, LatestRevisionDate=2009-11-23, Note="Chip Res 1%", Part Number=R0402-220, Pin Count=2, Published=2009-05-08, Publisher="Nordic Semiconductor", Supplier 1=Farnell
R403: library part R0402-86k6, "Resistor, ±1%, 0.063W", Manufacturer=Panasonic, Manufacturer Part Number=ERJ-2RKF8662X, Part number IPS=N.A., Supplier Part Number 1=P86.6KLCT-ND, Artikkelnr Noca=27049119, ComponentLink1Description=Datasheet, ComponentLink2Description="Supplier link", Footprint Doc=0402, LatestRevisionDate=2009-11-23, Note="Chip Res 1%", Part Number=R0402-86k6, Pin Count=2, Published=2009-05-08, Publisher="Nordic Semiconductor", Supplier 1=Digi-Key, Supplier 2=Mouser, Supplier Part Number 2=667-ERJ-2RKF8662X
R404: library part R0402-51k1, "Resistor, ±0.1%, 0.063W", Manufacturer=Panasonic, Manufacturer Part Number=ERA-2AEB5112X, Part number IPS=N.A., Supplier Part Number 1=P51.1KDCCT-ND, Artikkelnr Noca=N.A., ComponentLink1Description=Datasheet, ComponentLink2Description="Supplier link", Footprint Doc=0402, LatestRevisionDate=2016-11-24, Note="Chip Res 1%", Part Number=R0402-51k1, Pin Count=2, Published=2016-11-24, Publisher="Nordic Semiconductor", Supplier 1=Digi-Key, Supplier 2=Mouser, Supplier Part Number 2=667-ERA-2AEB5112X
R406: library part R0402-10k, "Resistor, ±1%, 0.063W", Part number IPS=00000002093, Supplier Part Number 1=173-8864, Artikkelnr Noca=27049097, ComponentLink1Description=Datasheet, ComponentLink2Description="Supplier link", Footprint Doc=0402, LatestRevisionDate=2009-11-23, Note="Chip Res 1%", Part Number=R0402-10k, Pin Count=2, Published=2009-05-08, Publisher="Nordic Semiconductor", Supplier 1=Farnell
R501 R502 R503 R504: library part R0402-1M0, "Resistor, ±1%, 0.063W", Part number IPS=00000006807, Artikkelnr Noca=27049145, ComponentLink1Description=Datasheet, ComponentLink2Description="Supplier link", Footprint Doc=0402, LatestRevisionDate=2009-11-23, Note="Chip Res 1%", Part Number=R0402-1M0, Pin Count=2, Published=2009-05-08, Publisher="Nordic Semiconductor"
U301 U302 U303 U304 U305: "UltraCMOS SP4T RF Switch 30 MHz-6 GHz", Manufacturer="Peregrine Semiconductors", Part number IPS=N.A., Supplier Part Number 1=1046-1096-1-ND, Artikkelnr Noca=N.A., ComponentLink1Description=Datasheet, ComponentLink1URL=http://www.psemi.com/pdf/datasheets/pe42442ds.pdf, ComponentLink2Description="Supplier link", ComponentLink2URL=https://www.digikey.com/product-detail/en/psemi/PE42442A-Z/1046-1096-1-ND/4747404, Footprint Doc=QFN-24, HelpURL=https://www.psemi.com/products/rf-switches/pe42442, LatestRevisionDate=2020-01-17, Manufacturer Part Number=PE42442, Part Number=PE42442, Pin Count=5, Published=2020-01-17, Publisher="Nordic Semiconductor", Supplier 1=Digi-Key
U401: "Low-Noise, Regulated, Switched-Capacitor Voltage Inverter", Manufacturer="Texas Instruments", Part number IPS=N.A., Supplier Part Number 1=296-43882-1-ND, Artikkelnr Noca=N.A., ComponentLink1Description=Datasheet, ComponentLink1URL=http://www.ti.com/lit/ds/symlink/lm27761.pdf, ComponentLink2Description="Supplier link", ComponentLink2URL=https://www.digikey.com/product-detail/en/texas-instruments/LM27761DSGT/296-43882-1-ND/5880550, Footprint Doc=WSON-8, HelpURL=https://www.ti.com/product/LM27761, LatestRevisionDate=2020-01-17, Manufacturer Part Number=LM27761, Note="DSGT: 250 pts reel", Part Number=LM27761, Pin Count=8, Published=2020-01-17, Publisher="Nordic Semiconductor", Supplier 1=Digi-Key, Supplier 2=Mouser, Supplier Part Number 2=595-LM27761DSGR
V301 V302 V303 V304 V305 V306 V307 V308 V309 V310 V311 V312 V501 V502 V503 V504 V505: "TVS DIODE 15VWM 0402", Manufacturer=Murata, Part number IPS=N.A., Supplier Part Number 1=490-13209-6-ND, Artikkelnr Noca=N.A., ComponentLink1Description=Datasheet, ComponentLink2Description="Supplier link", Footprint Doc=0402, HelpURL=http://www.murata.com/en-us/products/productdata/8796832759838/CRESD-E.pdf, LatestRevisionDate=2017-09-20, Manufacturer Part Number=LXES15AAA1-133, Part Number=LXES15AAA1-133, Pin Count=2, Published=2017-09-20, Publisher="Nordic Semiconductor", Supplier 1=Digi-Key, Supplier 2=Mouser, Supplier Part Number 2=81-LXES15AAA1-133

## Free pads (board coordinates)
  round 3.2 hole 3.2 unplated mask+0.2: 1(61.18,75.68) 1(61.54,126.13) 1(134.64,125.85) 1(135.52,75.865)
  round 0.4 hole 4 unplated mask+0.2: 3(6.96,6.96) 3(6.96,192.96) 3(192.96,6.96) 3(192.96,192.96)

## Via types
v1: diameter 0.5, hole 0.2, Top Layer to Bottom Layer, tented both sides, 561 vias
v2: diameter 0.5, hole 0.2, Top Layer to Bottom Layer, 25 vias
v3: diameter 0.6, hole 0.3, Top Layer to Bottom Layer, tented both sides, 12 vias

## Nets (pads, with @x,y where several pads share a name; then routed paths per layer and width w, separated by ;. In a path a pad name is that pad's centre, name@x,y a point inside that pad or via, vN(x,y) a via of type N, cw(c..) or ccw(c..) an arc to the next point about the centre after c; other vN are vias at no path point)
3V3RF: C301.2 C302.2 C304.2 C305.2 C307.2 C308.2 C310.2 C311.2 C313.2 C314.2 C316.2 C318.2 C320.2 C322.2 C324.2 R401.1 R402.2 R508.2 U301.16 U302.16 U303.16 U304.16 U305.16 | length 310.9
  Top Layer w0.25: v1(57.872,138.427) U305.16@58.339,138.894 U305.16@58.341,138.894 ; U304.16@61.026,58.341 U304.16@61.026,58.339 v1(61.493,57.872) ; U301.16@101.86,100.228 101.885,100.253 102.18,100.253 103.139,101.212 103.139,101.474 v1(103.187,101.522) ; R402.2@103.211,67.223 v1(104.008,67.223) ; v1(138.427,142.048) U302.16@138.894,141.581 ; U303.16@141.579,61.026 U303.16@141.581,61.026 v1(142.048,61.493)
  Mid-Layer 2 w0.25: v1(104.008,67.223) 104.008,68.416 106.03,70.438 117.43,70.438 118.43,71.438 v1(118.43,79.238)
  Mid-Layer 2 w0.4: v1(56.93,135.438) 58.153,134.214 68.341,134.214 98.018,104.538 102.48,104.538 v1(103.28,105.338) ; v1(64.615,56.975) 68.578,60.938 69.13,60.938 v1(133.622,60.938) 135.347,59.213 139.105,59.213 139.569,59.677 139.882,59.677 140.585,60.379 140.585,61.232 143.03,63.678 v1(143.03,64.238) ; v1(134.93,142.738) 103.28,111.087 v1(103.28,105.338) ; v1(136.13,61.301) 136.13,65.889 126.681,75.338 124.03,75.338 120.13,79.238 v1(118.43,79.238) 117.23,80.438 117.23,93.738 105.63,105.338 v1(103.28,105.338)
  Bottom Layer w0.25: C313.2@56.307,136.032 56.017,136.322 56.676,136.981 C314.2@56.676,137.091 57.376,137.791 C324.2@57.376,137.891 57.872,138.387 v1(57.872,138.427) ; v1(61.493,57.872) 61.535,57.831 61.535,57.726 C322.2@61.976,57.284 C311.2@62.676,56.584 62.712,56.619 63.034,56.297 63.835,56.297 C310.2@63.853,56.315 ; v1(103.187,101.522) 103.187,102.335 cw(c103.333,102.335) C320.2@103.23,102.438 C302.2@103.23,103.338 ccw(c103.17,103.398) 103.255,103.398 C301.2@103.255,104.438 ; C316.2@137.884,142.591 v1(138.427,142.048) ; v1(142.048,61.493) 142.048,61.521 142.484,61.957 C318.2@142.484,61.984
  Bottom Layer w0.4: C313.2@56.307,136.032 56.336,136.032 v1(56.93,135.438) ; C310.2@63.853,56.315 63.955,56.315 v1(64.615,56.975) ; C301.2@103.255,104.438 ccw(c103.195,104.498) 103.28,104.498 v1(103.28,105.338) ; v1(133.622,60.938) 133.649,60.938 134.012,61.301 v1(136.13,61.301) ; v1(134.93,142.738) 134.957,142.738 135.58,143.36 C304.2@135.707,143.36 135.725,143.378 136.955,143.378 137.077,143.256 137.148,143.256 C305.2@137.184,143.291 C316.2@137.884,142.591 ; C318.2@142.484,61.984 C308.2@143.184,62.684 143.148,62.719 143.753,63.324 C307.2@143.753,63.56 143.73,63.56 143.053,64.238 v1(143.03,64.238)
  Bottom Layer w0.5: v1(118.43,79.238) R508.2@119.63,79.238 119.655,79.238 119.68,79.263 119.68,79.813 120.205,80.338 R401.1@120.23,80.338
3V3RFN: C303.2 C306.2 C309.2 C312.2 C315.2 C317.2 C319.2 C321.2 C323.2 C325.2 R405.2 U301.20 U302.20 U303.20 U304.20 U305.20 | length 257.8
  Top Layer w0.25: U305.20@60.319,138.54 U305.20@60.319,138.54 v1(60.786,138.071) ; U304.20@61.38,60.319 61.382,60.319 v1(61.849,60.786) ; U301.20@100.71,101.878 100.735,101.903 100.735,102.27 v1(101.31,102.845) ; v1(138.071,139.134) 138.538,139.601 U302.20@138.54,139.601 ; v1(139.134,61.849) 139.601,61.382 U303.20@139.601,61.38
  Mid-Layer 2 w0.4: v1(62.03,135.538) 69.379,135.538 98.779,106.138 v1(102.13,106.138) ; v1(65.13,61.938) 133.323,61.938 v1(133.33,61.945) ; v1(135.63,137.638) 131.516,137.638 104.03,110.151 v1(104.03,106.138) 106.223,106.138 107.656,104.704 118.53,93.83 118.53,87.938 v1(119.63,86.838) 118.33,85.538 118.33,81.138 119.03,80.438 120.53,80.438 124.33,76.638 127.93,76.638 137.649,66.919 v1(137.649,64.038)
  Bottom Layer w0.25: v1(60.786,138.071) 60.803,138.071 C325.2@61.284,137.591 C315.2@61.984,136.891 ; v1(61.849,60.786) 62.354,61.291 C323.2@62.376,61.291 62.39,61.291 C312.2@63.076,61.977 ; C321.2@101.13,103.538 101.137,103.538 101.262,103.413 101.262,102.893 v1(101.31,102.845) ; C306.2@136.784,137.884 C317.2@137.484,138.584 138.033,139.134 v1(138.071,139.134) ; C309.2@137.976,63.184 138.684,62.476 C319.2@138.684,62.436 138.684,62.298 v1(139.134,61.849)
  Bottom Layer w0.4: C315.2@61.948,136.856 C315.2@61.984,136.891 61.984,136.884 62.33,136.538 62.33,135.865 62.03,135.565 v1(62.03,135.538) v1@62.015,135.552 ; C312.2@63.076,61.977 63.112,61.942 63.112,62.048 63.501,62.438 64.603,62.438 65.103,61.938 v1(65.13,61.938) ; C321.2@101.13,103.538 C303.2@101.13,104.438 101.13,105.138 v1(102.13,106.138) v1(104.03,106.138) ; v1(119.63,86.838) R405.2@120.33,86.838 ; v1(133.33,61.945) 133.618,62.233 137.025,62.233 C309.2@137.976,63.184 137.976,63.191 137.63,63.538 137.63,64.019 v1(137.649,64.038) v1@137.668,64.019 ; v1(135.63,137.638) 136.466,137.638 136.748,137.919 C306.2@136.784,137.884
ANT: R505.2 R507.2 U301.22 | length 2.3
  Top Layer w0.315: U301.22@99.71,101.878 99.71,103.218 R507.2@99.73,103.238 R505.2@99.73,104.138
ANT_1_3: L301.1 R341.2 U301.14 | length 52.8
  Top Layer w0.315: U301.14@101.86,99.228 102.82,99.228 R341.2@102.83,99.238 103.63,99.238 111.151,106.758 111.151,110.758 L301.1@136.894,136.502
ANT_4_6: L302.1 R343.2 U301.11 | length 52.8
  Top Layer w0.315: U301.11@100.71,98.078 R343.2@100.71,97.058 ; R343.2@100.73,97.038 R343.2@100.71,97.058 ; L302.1@136.394,63.174 131.43,68.138 126.13,68.138 100.71,93.558 R343.2@100.71,97.058
ANT_7_9: L303.1 R345.2 U301.8 | length 52.8
  Top Layer w0.315: L303.1@63.166,63.474 78.93,79.238 78.93,81.538 92.43,95.038 98.03,95.038 99.13,96.138 R345.2@99.13,97.038 99.21,97.118 U301.8@99.21,98.078
ANT_10_12: L304.1 R347.2 U301.5 | length 52.8
  Top Layer w0.315: L304.1@63.466,136.802 89.93,110.338 89.93,105.773 96.466,99.238 R347.2@97.03,99.238 ; R347.2@97.04,99.228 U301.5@98.06,99.228